# Altium PCB fyFly.PcbDoc
Units mm, origin at the board's own origin, x right, y up, seen from the top; angles counter-clockwise.
Board outline 101.94 x 64.98 mm, 4 copper layers (Top Layer, MID1, MID2, Bottom Layer), stack 0.603 mm thick; 121 components, 77 nets, 472 pads, 236 vias.
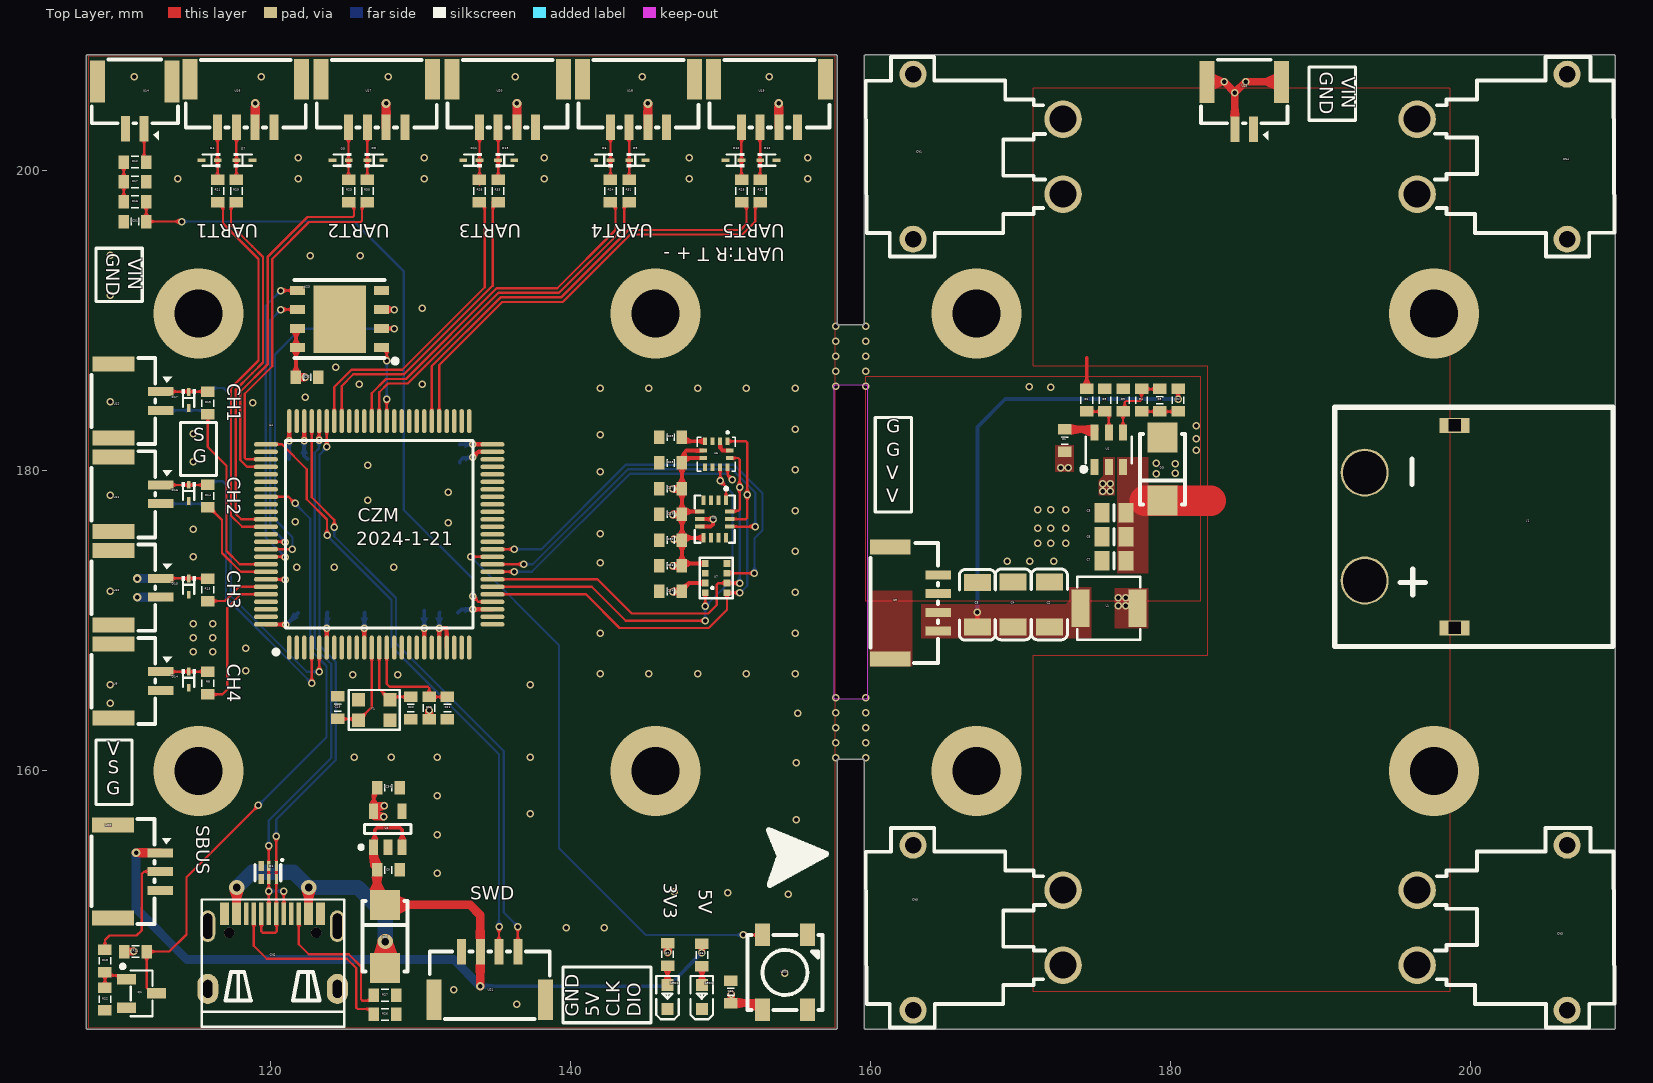
[diagram p0: Top Layer view]
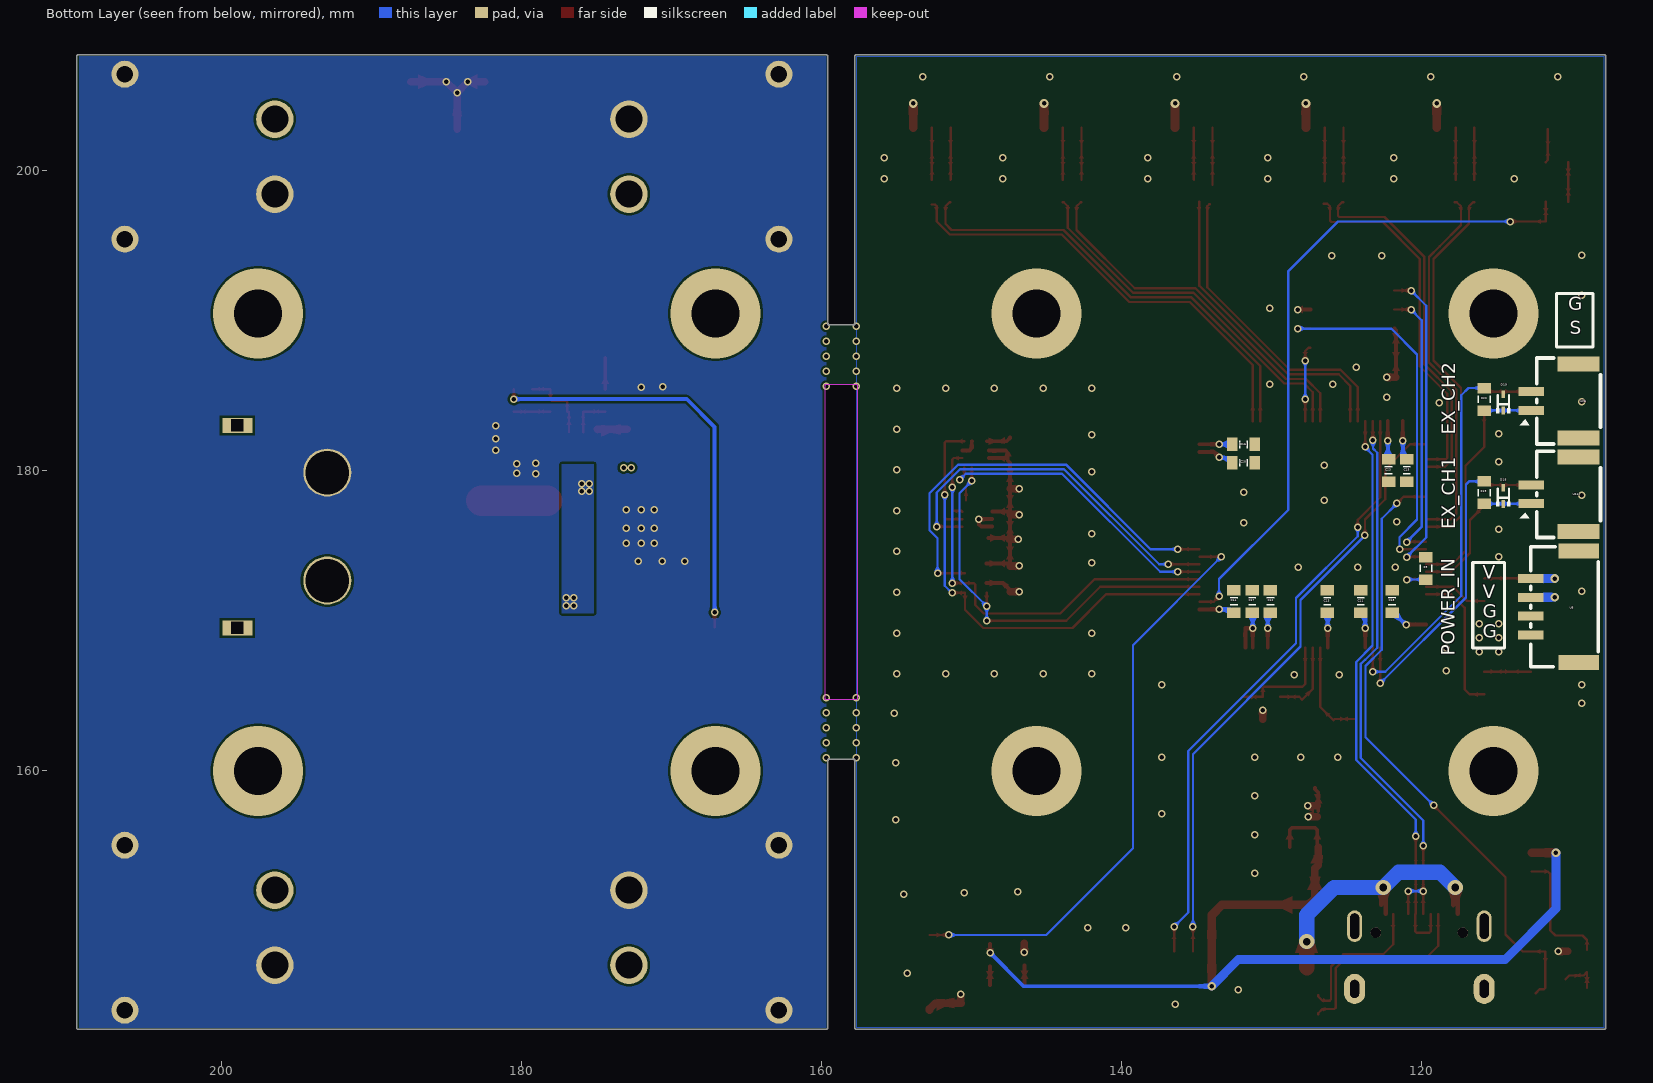
[diagram p1: Bottom Layer view, seen from below]
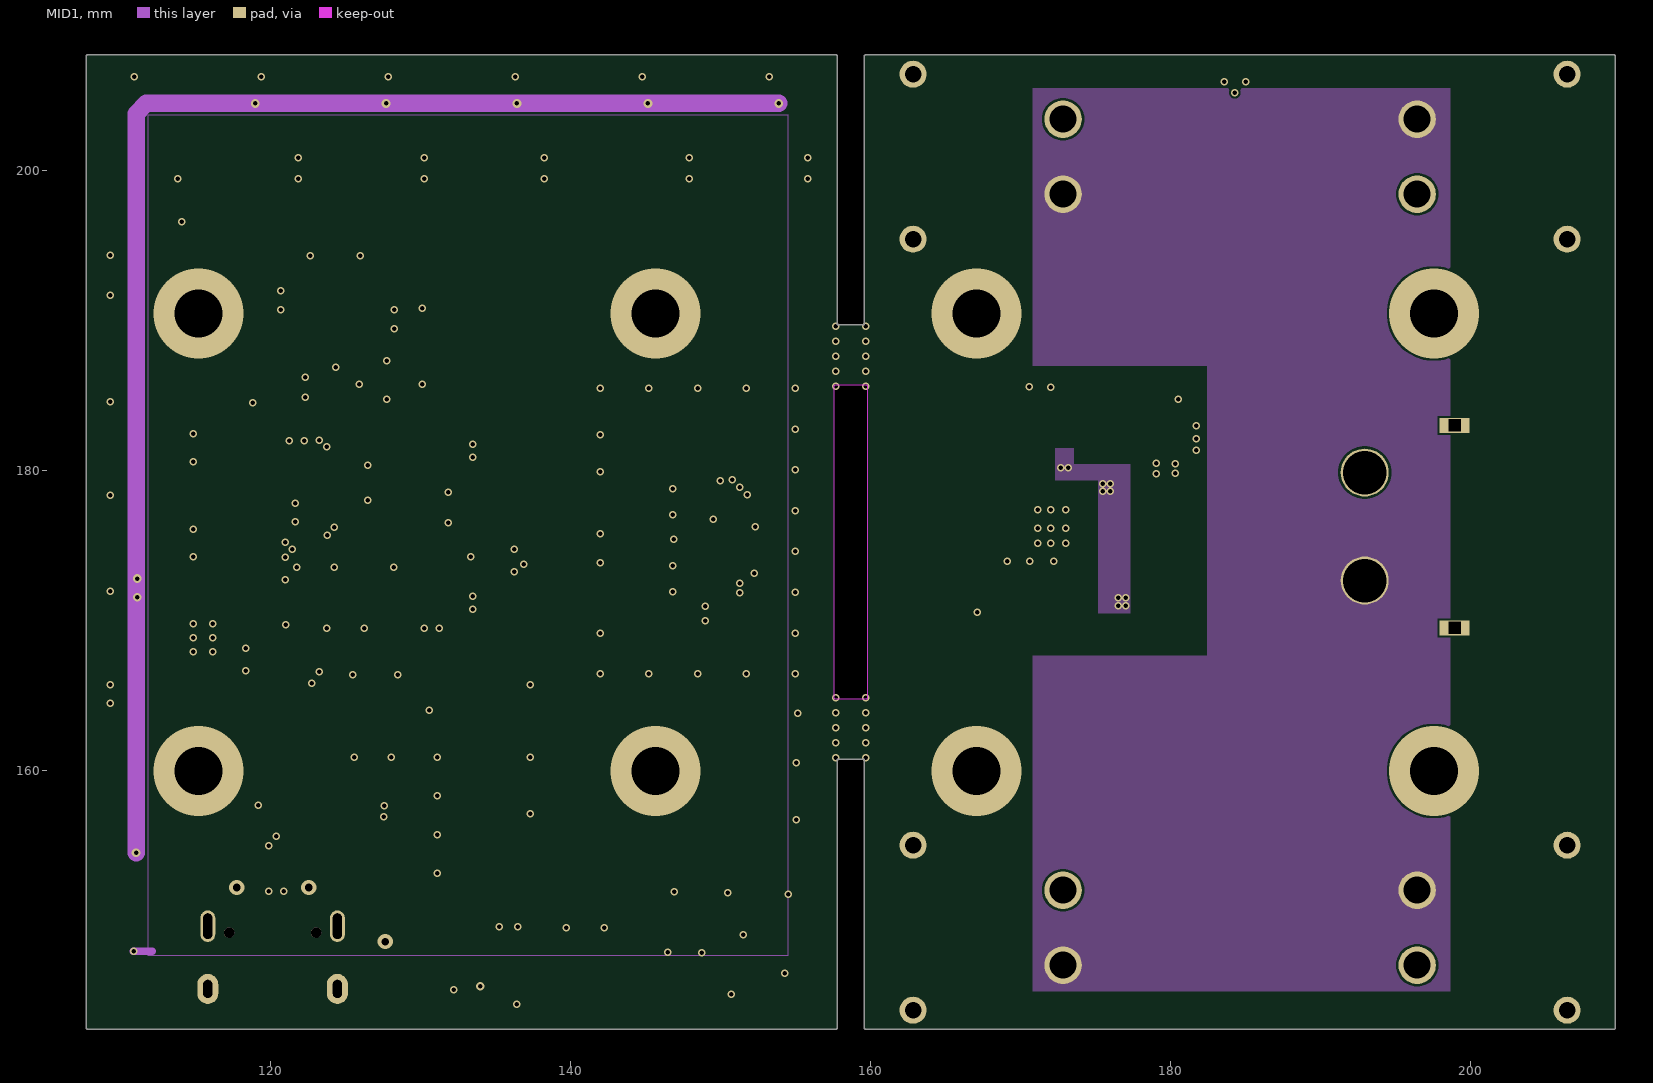
[diagram p2: MID1]
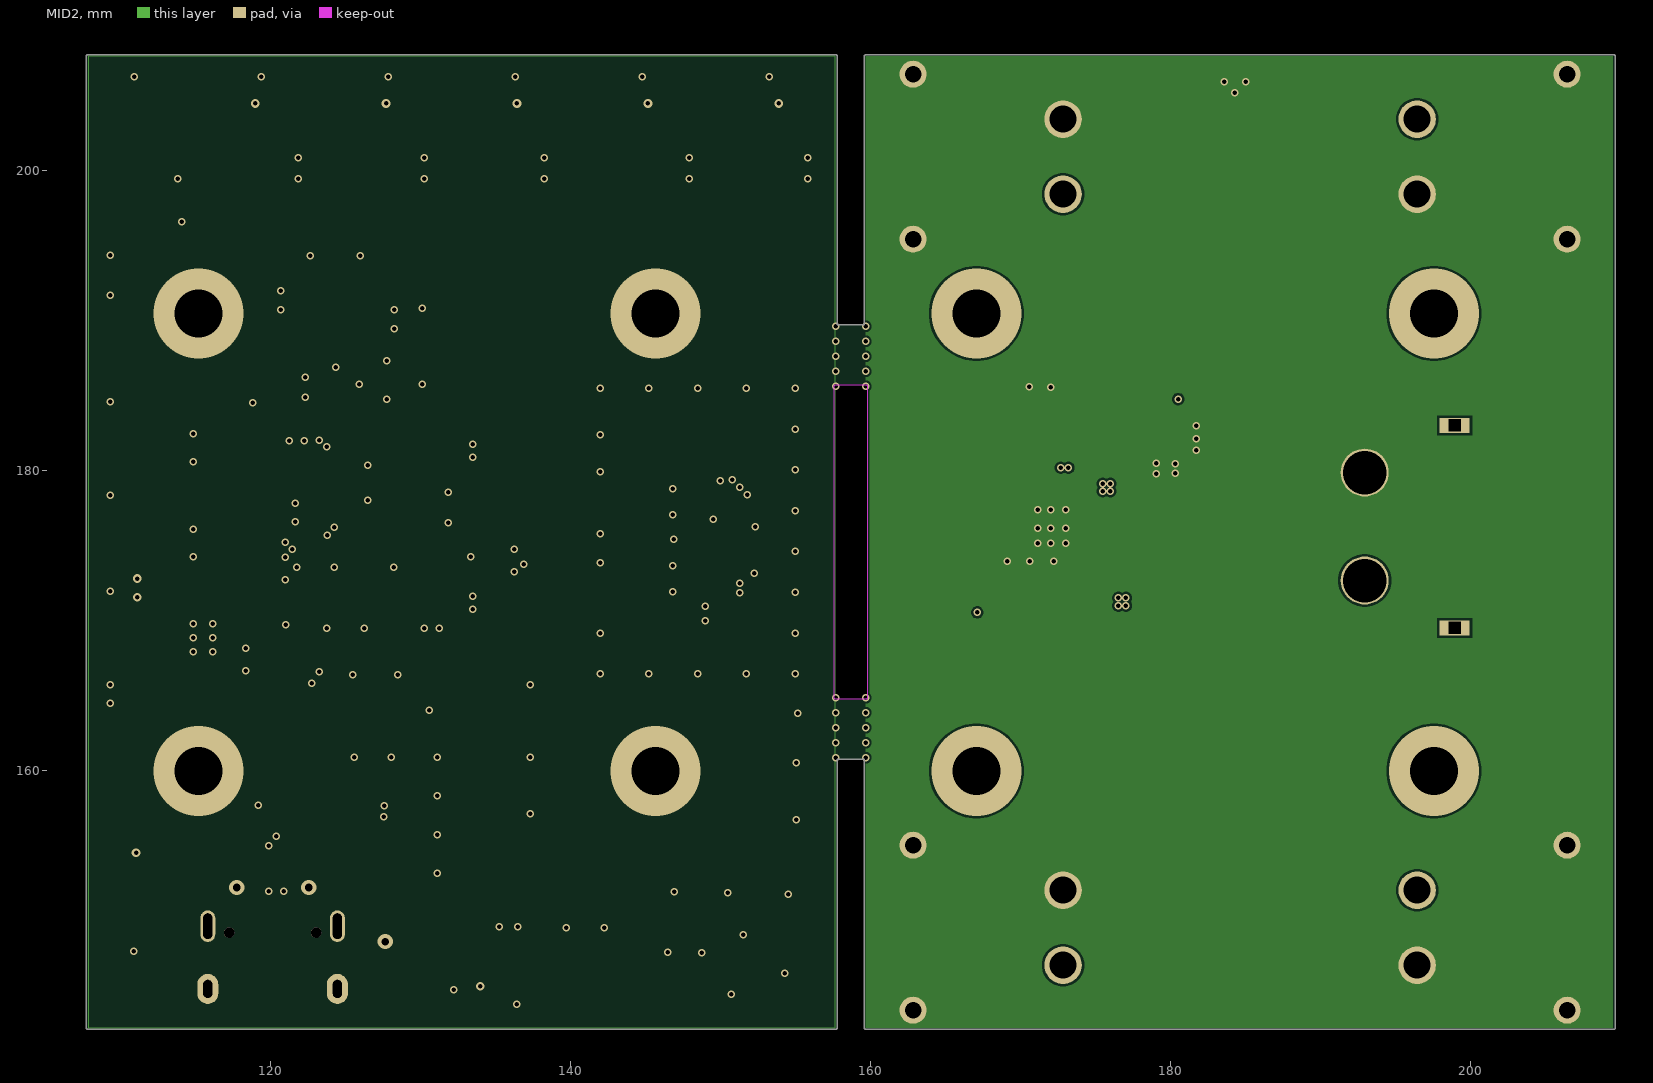
[diagram p3: MID2]
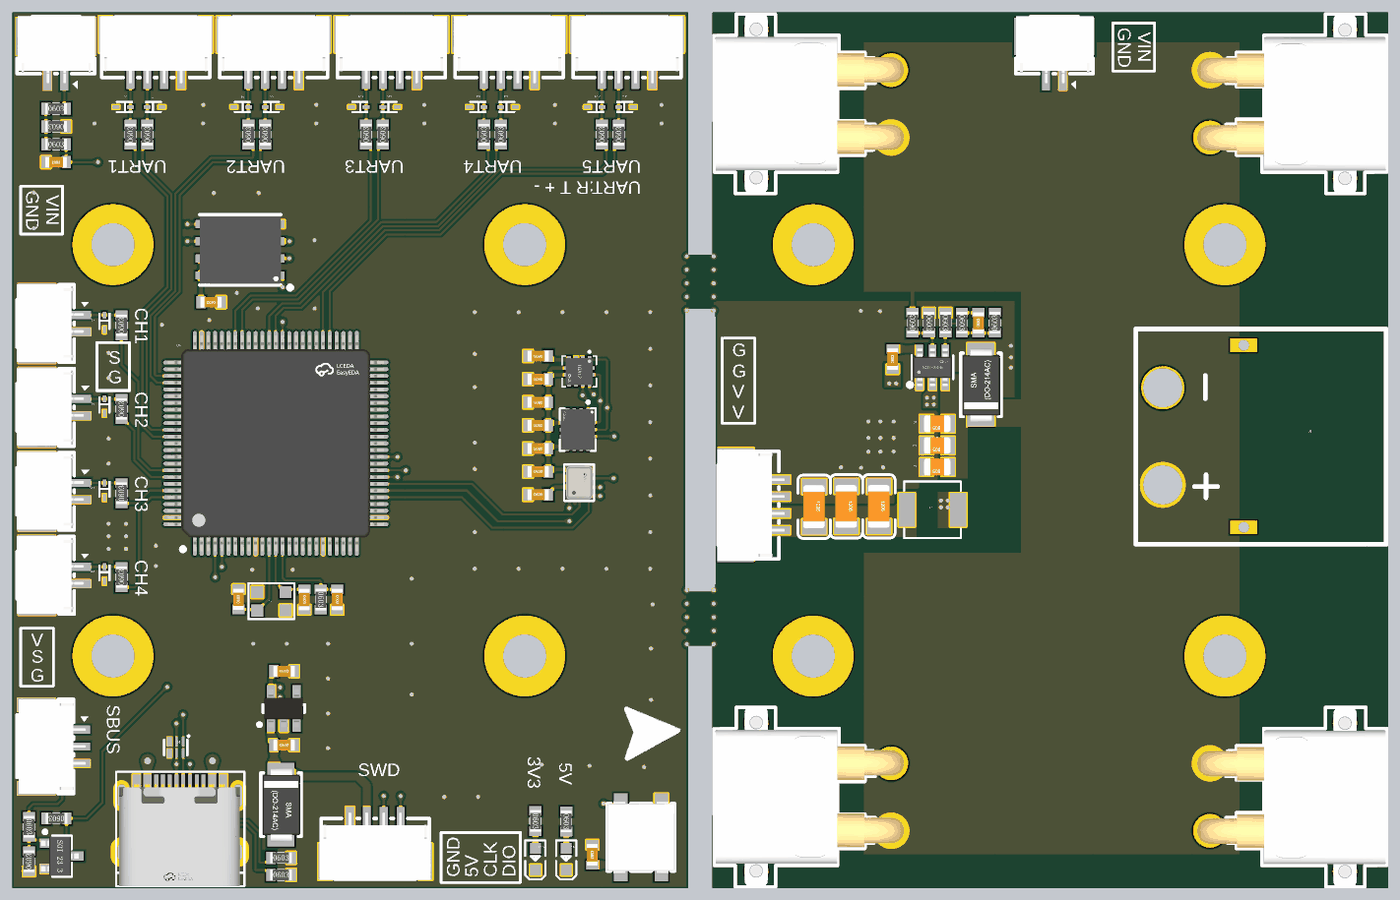
[diagram p4: 3D render of the assembled board from above, using the file's embedded part models]
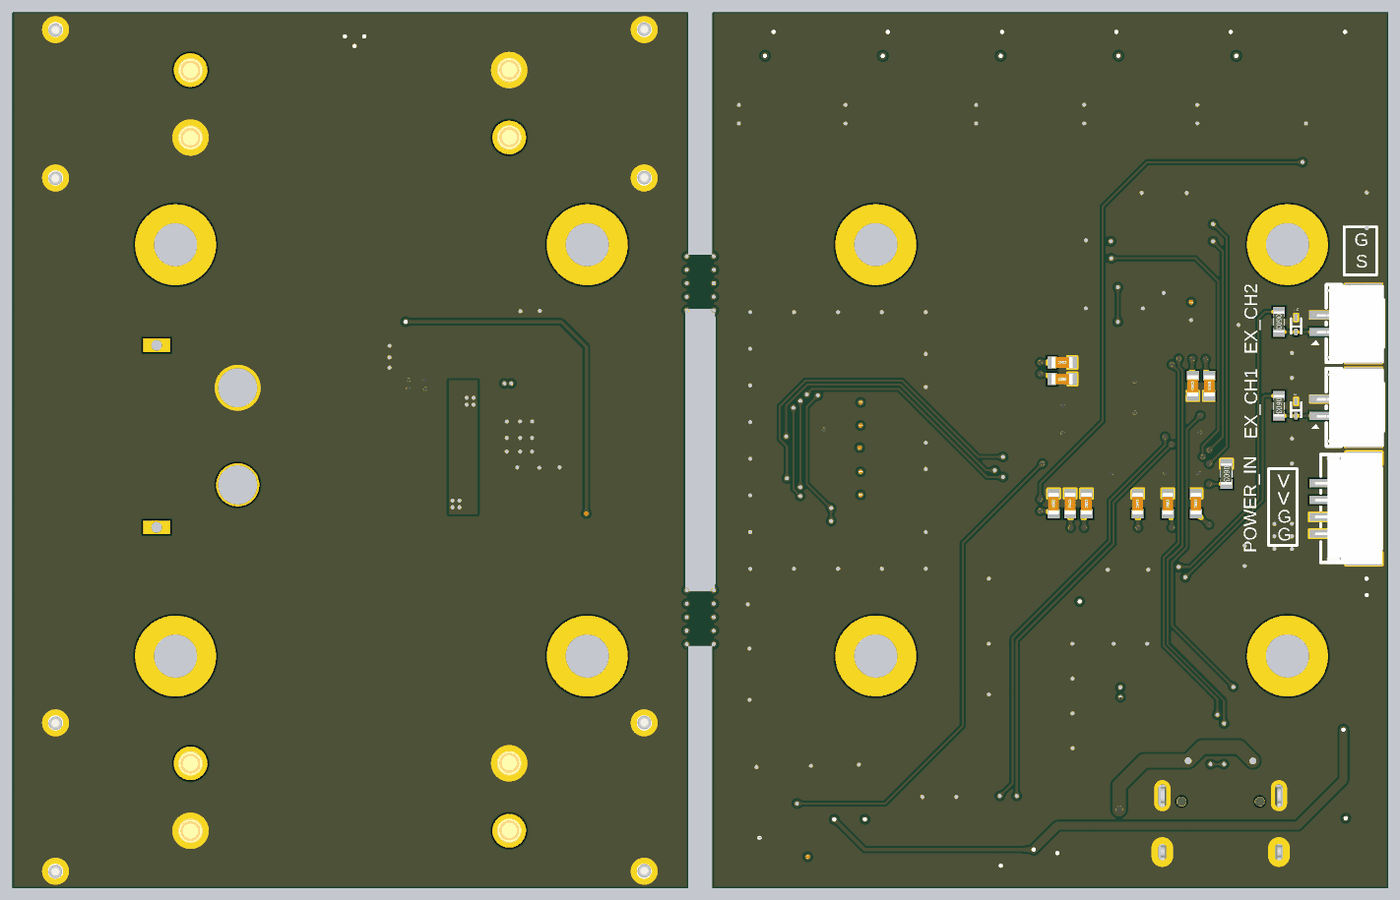
[diagram p5: 3D render of the assembled board from below, using the file's embedded part models]

## Layer stack, top to bottom
Top Solder: solder mask 0.0102, Solder Resist, Dk 3.5
Top Layer: signal copper 0.0356
Dielectric 2: prepreg 0.0711, PP-006, Dk 4.1
MID1: signal copper 0.035
Dielectric 1: dielectric 0.32, FR-4, Dk 4.8
MID2: signal copper 0.035
Dielectric 3: prepreg 0.0711, PP-006, Dk 4.1
Bottom Layer: signal copper 0.0356
Bottom Solder: solder mask 0.0102, Solder Resist, Dk 3.5

## Board outline
107.823,142.773 cw(c107.823,142.875) 107.721,142.875 107.721,207.645 cw(c107.823,207.645) 107.833,207.746 cw(c107.843,207.645) 107.843,207.747 157.689,207.747 cw(c157.689,207.645) 157.791,207.645 157.791,189.738 159.588,189.738 159.588,196.208 cw(c159.69,196.208) 159.594,196.244 159.594,207.638 cw(c159.696,207.638) 159.696,207.74 209.562,207.74 cw(c209.562,207.638) 209.664,207.638 209.664,142.868 cw(c209.562,142.868) 209.562,142.766 159.696,142.766 cw(c159.696,142.868) 159.594,142.868 159.594,160.775 157.791,160.775 157.791,142.875 cw(c157.689,142.875) 157.689,142.773
cut-out: 157.696,164.775 cw(c157.696,164.877) 157.594,164.877 157.594,185.6 cw(c157.689,185.636) 157.689,185.738 159.69,185.738 159.696,185.738 cw(c159.696,185.636) 159.798,185.636 159.798,164.877 cw(c159.696,164.877) 159.696,164.775

## Design rules (kind name [scope] priority, off if disabled: settings)
Clearance [All] p1: gap=0.152 ignorepadtopadclearanceinfootprint=TRUE except(0: Arc-Hole Track-Hole SMDPad-Hole THPad-Hole Via-Hole Fill-Hole Poly-Hole Region-Hole Text-Hole)
PlaneConnect PlaneConnect_1 [InNet('NetC1_2')] p1: planeconnectstyle=Direct reliefexpansion=0.508 reliefentries=4 reliefconductorwidth=0.254 reliefairgap=0.254
PlaneConnect [All] p2: planeconnectstyle=Direct reliefexpansion=0.508 reliefentries=4 reliefconductorwidth=0.254 reliefairgap=0.254
PolygonConnect PolygonConnect_4 [InNet('VIN_GND')] p1: connectstyle=Direct reliefconductorwidth=0.254 reliefentries=4 polygonreliefangle="90 Angle" airgapwidth=0.254
PolygonConnect PolygonConnect_3 [InNet('VCC-5.0V_OUT')] p2: connectstyle=Direct reliefconductorwidth=0.254 reliefentries=4 polygonreliefangle="90 Angle" airgapwidth=0.254
PolygonConnect PolygonConnect_2 [InNet('VIN')] p3: connectstyle=Direct reliefconductorwidth=0.254 reliefentries=4 polygonreliefangle="90 Angle" airgapwidth=0.254
PolygonConnect PolygonConnect_1 [InNet('NetC1_2')] p4: connectstyle=Direct reliefconductorwidth=0.254 reliefentries=4 polygonreliefangle="90 Angle" airgapwidth=0.254
PolygonConnect [All] p5: connectstyle=Direct reliefconductorwidth=0.254 reliefentries=4 polygonreliefangle="90 Angle" airgapwidth=0.254
RoomDefinition 03_peripheral [InComponentClass('03_peripheral')] p1: confinementstyle=ConfineOut formatcopy=TRUE lockcomponents=FALSE outline 244.653,139.319 515.874,139.319 515.874,158.877 244.653,158.877
RoomDefinition 02_sensor [InComponentClass('02_sensor')] p2: confinementstyle=ConfineOut formatcopy=TRUE lockcomponents=FALSE outline 244.754,162.179 259.334,162.179 259.334,168.021 244.754,168.021
RoomDefinition 01_mcu [InComponentClass('01_mcu')] p3: confinementstyle=ConfineOut formatcopy=TRUE lockcomponents=FALSE outline 244.653,171.45 309.753,171.45 309.753,191.262 244.653,191.262
RoomDefinition 00_power [InComponentClass('00_power')] p4: confinementstyle=ConfineOut formatcopy=TRUE lockcomponents=FALSE outline 244.348,194.437 340.487,194.437 340.487,212.09 244.348,212.09
RoutingVias [All] p1: holewidth=0.3 width=0.5 viastyle="Through Hole" minholewidth=0.3 minwidth=0.5 maxholewidth=225.755 maxwidth=253.975
SolderMaskExpansion [All] p1: expansion=0.102 istentingtop=FALSE
Width [All] p1: maxlimit=253.975 minlimit=0.152 preferedwidth=0.254
29 further rules are at their usual default settings.

## Classes and differential pairs
component class 03_peripheral: C10 C31 C32 CN2 D1 D2 D4 D5 D6 D7 D8 D9 D10 D11 D12 D13 D14 D15 D16 D17 D18 D19 LED3 Q1 R8 R11 R12 R13 R14 R15 R16 R17 R18 R19 R20 R21 R22 R23 R24 R25 R26 R27 R28 R29 R30 R31 R32 R33 U9 U10 U11 U12 U16 U17 U18 U19 U20 U21 U22 U23 U24 U26
component class 02_sensor: C24 C25 C26 C27 C28 C29 C30 U5 U6 U7
component class 01_mcu: C11 C12 C13 C14 C15 C16 C17 C18 C19 C20 C21 C22 C23 R9 R10 U4 Y1
component class 00_power: C1 C2 C3 C4 C5 C6 C7 C8 C9 C34 CN1 CN3 CN4 CN5 D3 J1 L1 LED1 LED2 R1 R2 R3 R4 R5 R6 R7 U1 U2 U3 U8 U13 U14

## Components (designator, comment, footprint, x,y, rotation, side; value= is the part's Value field where it differs from the comment)
C1 "100nF/35V" 0603-C 172.949,182.016 r0 top
C2 "22uF/16V" 1206-C 171.933,171.094 r0 top
C3 "22uF/16V" 1206-C 167.132,171.069 r0 top
C4 "22uF/16V" 1206-C 169.52,171.094 r0 top
C5 "10uF/35V" 0805-C 176.254,177.222 r90 top
C6 "10uF/35V" 0805-C 176.251,175.616 r90 top
C7 "100nF/35V" 0805-C 176.251,174.015 r90 top
C8 "75pF" 0603-C 179.299,184.709 r0 top
C9 "1uF" 0603-C 127.864,153.391 r270 top
C10 "100nF" 0603-C 150.698,145.263 r0 top
C11 "10uF" 0603-C 124.054,171.298 r180 bottom
C12 "100nF" 0603-C 130.073,171.298 r180 bottom
C13 "100nF" 0603-C 126.289,171.298 r180 bottom
C14 "100nF" 0603-C 132.512,171.298 r180 bottom
C15 "100nF" 0603-C 120.98,180.035 r0 bottom
C16 "100nF" 0603-C 131.877,181.762 r270 bottom
C17 "100nF" 0603-C 131.293,171.298 r180 bottom
C18 "100nF" 0603-C 121.971,171.298 r180 bottom
C19 "22pF" 0603-C 124.485,164.211 r0 top
C20 "2.2uF" 0603-C 131.877,180.543 r90 bottom
C21 "100nF" 0603-C 131.801,164.186 r180 top
C22 "22pF" 0603-C 129.362,164.186 r180 top
C23 "2.2uF" 0603-C 122.199,180.035 r180 bottom
C24 "100nF" 0603-C 146.685,171.958 r270 top
C25 "100nF" 0603-C 146.685,182.245 r90 top
C26 "100nF" 0603-C 146.685,173.672 r270 top
C27 "1uF" 0603-C 146.685,178.816 r90 top
C28 "100nF" 0603-C 146.685,180.531 r90 top
C29 "10nF" 0603-C 146.685,177.102 r90 top
C30 "10nF" 0603-C 146.685,175.387 r90 top
C31 "100nF" 0603-C 110.973,196.621 r90 top
C32 "100nF" 0603-C 122.453,186.233 r90 top
C34 "1uF" 0603-C 127.864,158.877 r270 top
CN1 "XT30PW-M" XT30PW-M 167.844,200.946 r270 top locked
CN2 "Type-c" "Type-c 16pin" 120.396,147.701 r0 top locked
CN3 "XT30PW-M" XT30PW-M 201.452,149.54 r90 top locked
CN4 "XT30PW-M" XT30PW-M 201.452,200.946 r90 top locked
CN5 "XT30PW-M" XT30PW-M 167.844,149.541 r270 top locked
D1 "ESD-USB-2P" SLP2510P8-2P 119.388,153.22 r180 top
D2 "SS34" SS34-SMA 127.635,148.971 r270 top
D3 "SMAJ18.0CA" ZENER 179.476,180.111 r90 top
D4 "ESD9X5.0ST5G" ESD9X5.0ST5G 115.944,200.711 r180 top
D5 "ESD9X5.0ST5G" ESD9X5.0ST5G 124.682,200.711 r180 top
D6 "ESD9X5.0ST5G" ESD9X5.0ST5G 142.132,200.711 r180 top
D7 "ESD9X5.0ST5G" ESD9X5.0ST5G 118.269,200.711 r0 top
D8 "ESD9X5.0ST5G" ESD9X5.0ST5G 127.007,200.711 r0 top
D9 "ESD9X5.0ST5G" ESD9X5.0ST5G 144.456,200.711 r0 top
D10 "ESD9X5.0ST5G" ESD9X5.0ST5G 150.876,200.711 r180 top
D11 "ESD9X5.0ST5G" ESD9X5.0ST5G 133.394,200.711 r180 top
D12 "ESD9X5.0ST5G" ESD9X5.0ST5G 153.194,200.711 r0 top
D13 "ESD9X5.0ST5G" ESD9X5.0ST5G 135.719,200.711 r0 top
D14 "ESD9X5.0ST5G" ESD9X5.0ST5G 114.554,166.084 r270 top
D15 "ESD9X5.0ST5G" ESD9X5.0ST5G 114.554,172.282 r270 top
D16 "ESD9X5.0ST5G" ESD9X5.0ST5G 114.554,178.53 r270 top
D17 "ESD9X5.0ST5G" ESD9X5.0ST5G 114.554,184.728 r270 top
D18 "ESD9X5.0ST5G" ESD9X5.0ST5G 114.554,178.34 r90 bottom
D19 "ESD9X5.0ST5G" ESD9X5.0ST5G 114.554,184.563 r90 bottom
J1 "XT60PW-M" XT60PW-M 192.959,172.688 r270 top
L1 "10uH" "电感 4.2X4.4" 175.895,170.84 r180 top
LED1 "LED" LED-0603 148.768,144.932 r90 top
LED2 "LED" LED-0603 146.482,144.932 r90 top
LED3 "WS2812B-5050" WS2812B-5050 154.305,146.558 r0 top
Q1 "NMOS" SOT23-3M 111.252,145.161 r0 top
R1 "511K" 0603-R 174.422,184.709 r180 top
R2 "49.9R" 0603-R 180.518,184.709 r180 top
R3 "105K" 0603-R 175.641,184.709 r0 top
R4 "100K" 0603-R 178.079,184.709 r0 top
R5 "13.3K" 0603-R 176.86,184.709 r0 top
R6 "4.7K" 0603-R 148.768,147.726 r0 top
R7 "4.7K" 0603-R 146.478,147.764 r0 top
R8 "1K" 0603-R 115.824,165.849 r180 top
R9 "10K" 0603-R 119.71,173.507 r180 bottom
R10 "10K" 0603-R 130.581,164.186 r0 top
R11 "10K" 0603-R 110.998,147.955 r270 top
R12 "10K" 0603-R 110.973,200.584 r90 top
R13 "1K" 0603-R 115.824,172.072 r180 top
R14 "1K" 0603-R 115.824,178.32 r180 top
R15 "1K" 0603-R 115.824,184.518 r180 top
R16 "1K" 0603-R 110.973,197.942 r90 top
R17 "1K" 0603-R 110.973,199.263 r270 top
R18 "1K" 0603-R 108.966,147.332 r0 top
R19 "1K" 0603-R 115.824,178.55 r180 bottom
R20 "1K" 0603-R 115.824,184.773 r180 bottom
R21 "1K" 0603-R 116.484,198.665 r180 top
R22 "10K" 0603-R 108.966,144.78 r180 top
R23 "1K" 0603-R 125.222,198.665 r180 top
R24 "1K" 0603-R 142.672,198.665 r180 top
R25 "1K" 0603-R 151.409,198.665 r180 top
R26 "5.1K" 0603-R 127.635,143.764 r90 top
R27 "5.1K" 0603-R 127.635,145.034 r90 top
R28 "1K" 0603-R 133.934,198.665 r180 top
R29 "1K" 0603-R 117.729,198.665 r180 top
R30 "1K" 0603-R 126.467,198.665 r180 top
R31 "1K" 0603-R 143.916,198.665 r180 top
R32 "1K" 0603-R 152.654,198.665 r180 top
R33 "1K" 0603-R 135.179,198.665 r180 top
U1 "TPS54302DDCR" TPS54302 175.895,181.407 r0 top
U2 "XC6228D332VR-G" XC6228D332VR-G 127.838,156.108 r90 top
U3 "GH1.25-4P" CONN-SMD_GH1.25-4PWBPZ 162.916,171.196 r90 top
U4 "STM32F407VET6" STM32F407VET6 127.254,175.768 r0 top locked
U5 "ICM-42670-P" ICM42670P 149.622,176.784 r270 top
U6 "LIS3MDLTR" LIS3MDLTR 149.733,181.102 r180 top
U7 "spl06_001" SPL06 149.733,172.847 r90 top
U8 "GH1.25-4P" CONN-SMD_GH1.25-4PWBPZ 111.125,170.942 r270 bottom locked
U9 "GH1.25-2P" GH1.25-2P 111.125,165.989 r270 top locked
U10 "GH1.25-2P" GH1.25-2P 111.125,172.212 r270 top locked
U11 "GH1.25-2P" GH1.25-2P 111.125,178.435 r270 top locked
U12 "GH1.25-2P" GH1.25-2P 111.125,184.658 r270 top locked
U13 "GH1.25-2P" GH1.25-2P 184.926,204.368 r180 top locked
U14 "GH1.25-2P" GH1.25-2P 110.958,204.372 r180 top locked
U16 "GH1.25-4P" CONN-SMD_GH1.25-4PWBPZ 118.355,204.495 r0 top locked
U17 "GH1.25-4P" CONN-SMD_GH1.25-4PWBPZ 127.085,204.495 r0 top locked
U18 "GH1.25-4P" CONN-SMD_GH1.25-4PWBPZ 144.543,204.495 r0 top locked
U19 "GH1.25-4P" CONN-SMD_GH1.25-4PWBPZ 153.272,204.495 r0 top locked
U20 "GH1.25-4P" CONN-SMD_GH1.25-4PWBPZ 135.814,204.495 r0 top locked
U21 "GH1.25-4P" CONN-SMD_GH1.25-4PWBPZ 134.62,146.355 r180 top
U22 "GH1.25-3P" GH1.25-3P 111.074,153.289 r270 top locked
U23 "W25Q16" W25QXX_WSON_8_5*6mm 124.612,190.119 r180 top
U24 "GH1.25-2P" GH1.25-2P 111.125,178.435 r90 bottom locked
U26 "GH1.25-2P" GH1.25-2P 111.125,184.658 r90 bottom locked
Y1 "12MHZ" 3225 126.898,164.033 r0 top
